# Altium PCB STM32L476VE.PcbDoc
Units mm, origin at the board's own origin, x right, y up, seen from the top; angles counter-clockwise.
Board outline 51.23 x 42.82 mm, 2 copper layers (Top Layer, Bottom Layer); 56 components, 100 nets, 320 pads, 79 vias.
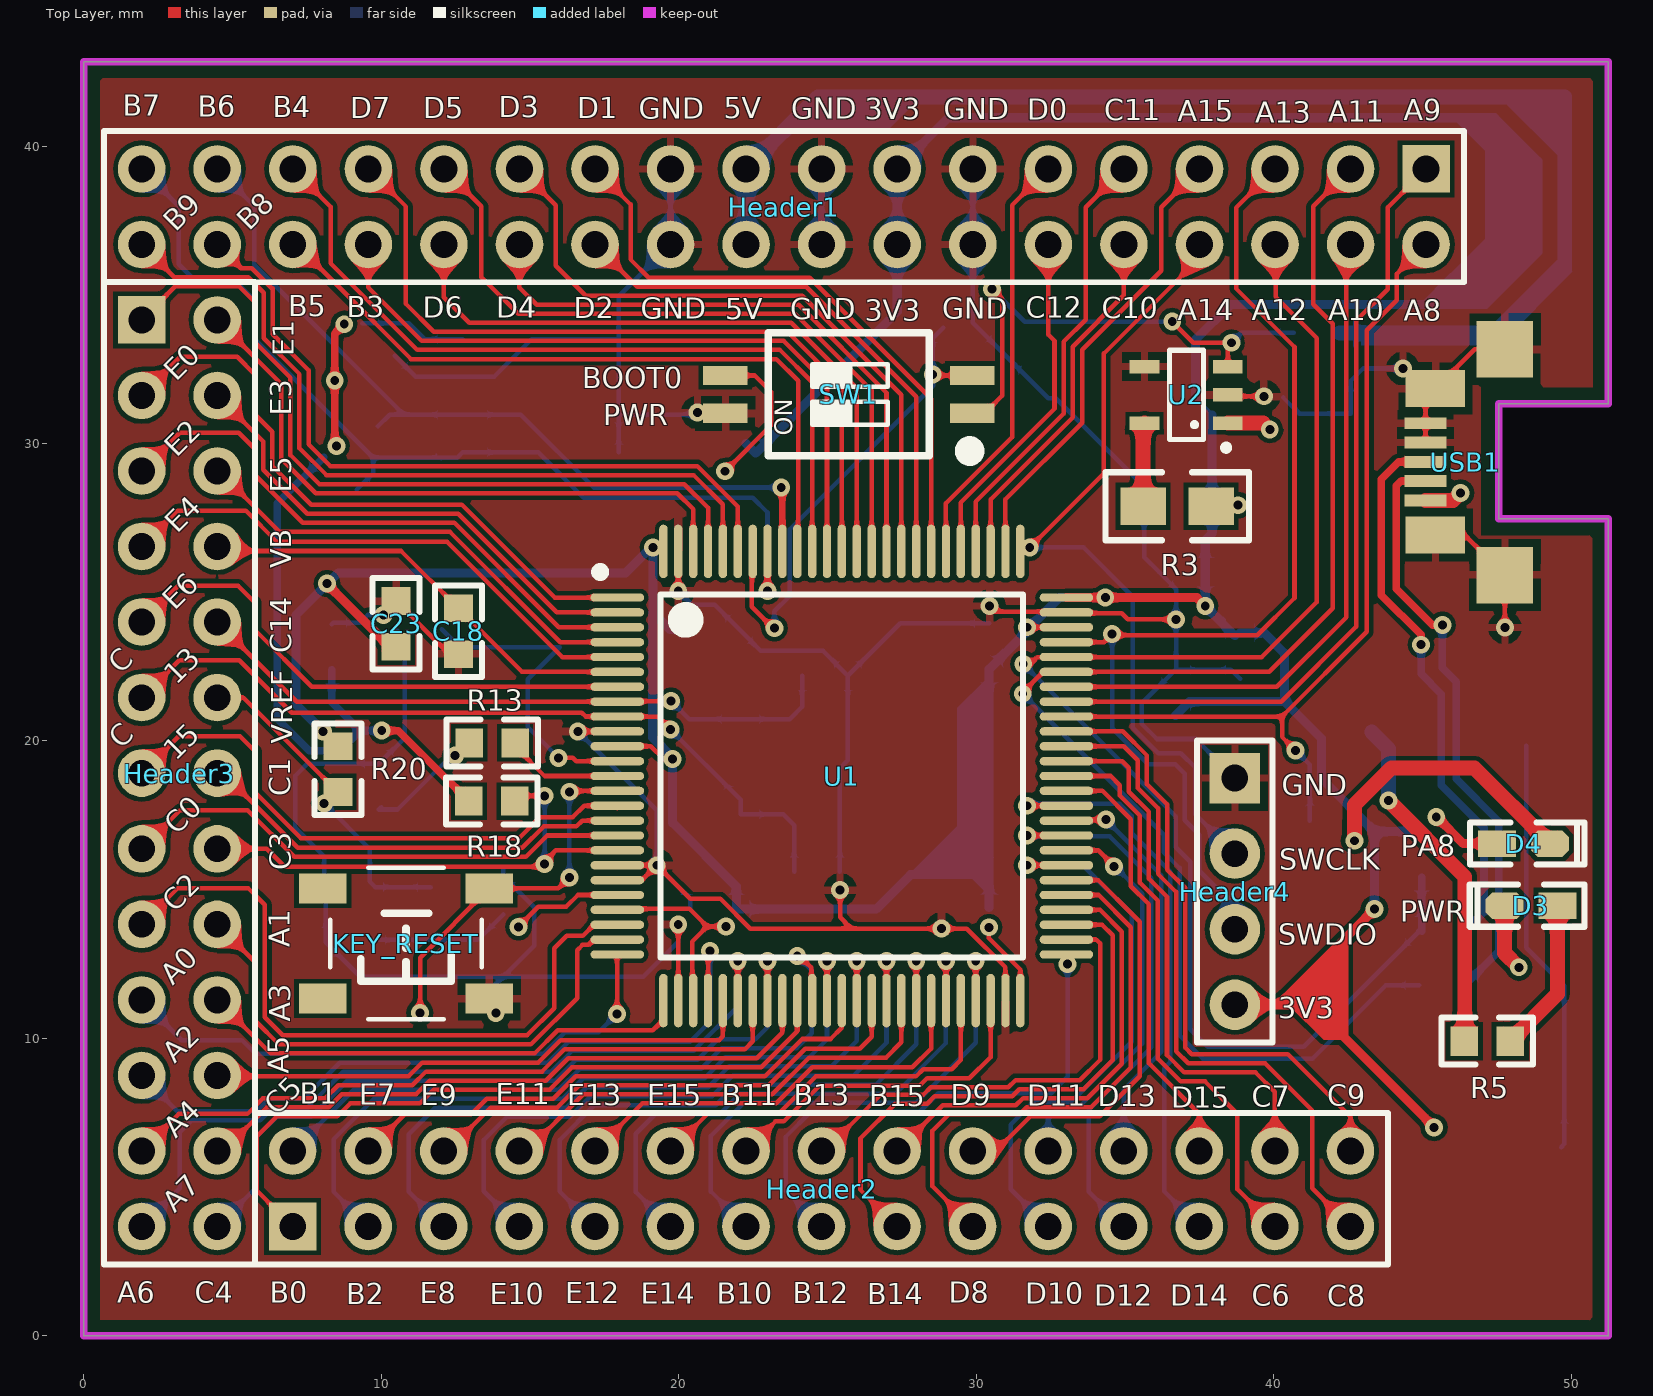
[diagram p0: Top Layer view]
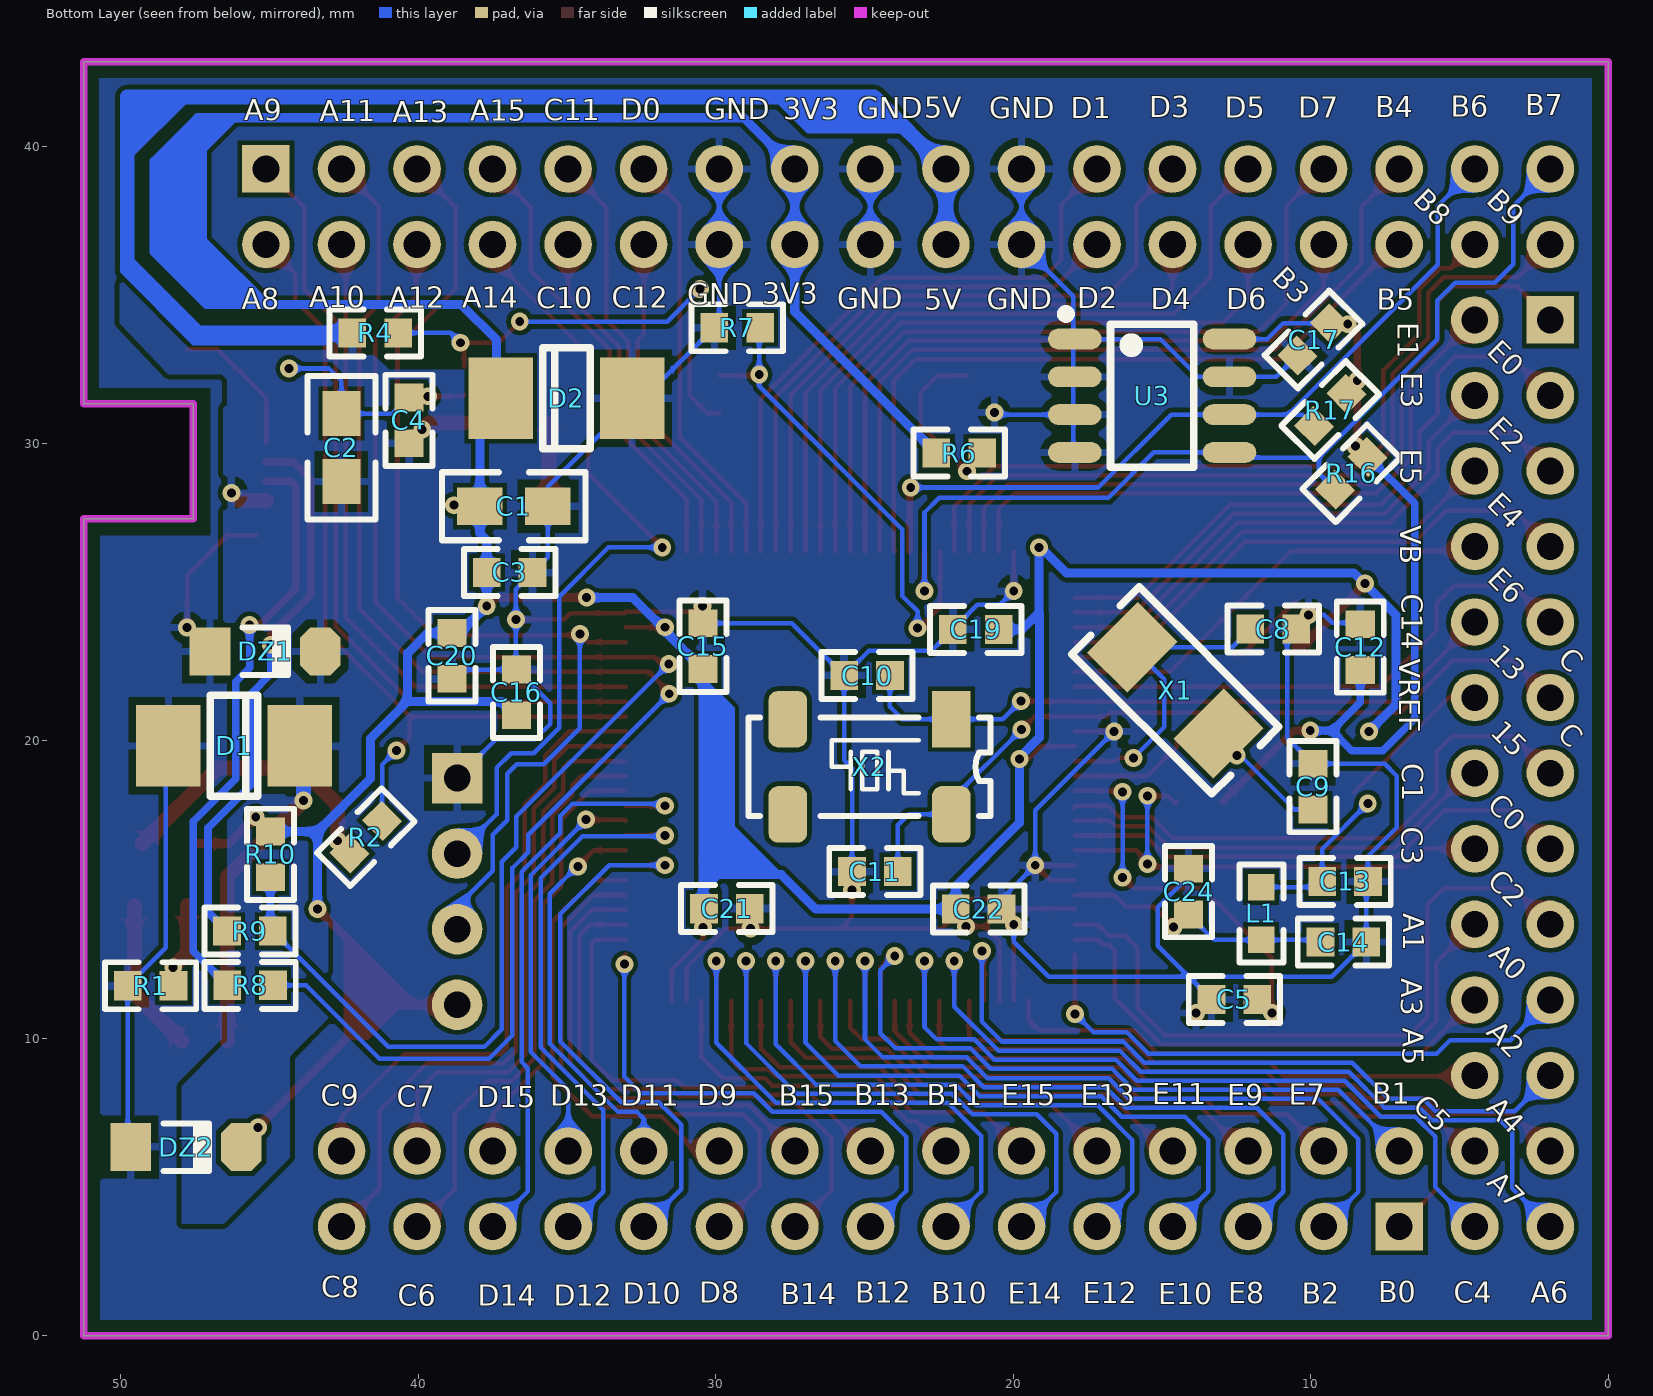
[diagram p1: Bottom Layer view, seen from below]

## Layer stack, top to bottom
Top Solder: solder mask 0.0102, Solder Resist, Dk 3.5
Top Layer: signal copper 0.0356
Dielectric 1: dielectric 0.32, FR-4, Dk 4.8
Bottom Layer: signal copper 0.0356
Bottom Solder: solder mask 0.0102, Solder Resist, Dk 3.5

## Board outline
0,0 0,42.825 51.235,42.825 51.235,31.33 47.555,31.33 47.555,27.47 51.235,27.47 51.235,0

## Design rules (kind name [scope] priority, off if disabled: settings)
Clearance [All] p1: gap=0.152
ComponentClearance [All] p1: gap=0.152 collisioncheckmode=3 verticalgap=20 showdistances=FALSE
DiffPairsRouting [All] p1: maxlimit=0.254 minlimit=0.254 mostfreqgap=0.254 toplayer_minwidth=0.152 toplayer_maxwidth=0.254 toplayer_prefwidth=0.152 bottomlayer_prefgap=0.245 bottomlayer_minwidth=0.152 bottomlayer_maxwidth=0.254 bottomlayer_prefwidth=0.152 maxuncoupledlength=12.7
DiffPairsRouting DiffPairsRouting_2 [All] p2: maxlimit=0.254 minlimit=0.254 mostfreqgap=0.254 toplayer_minwidth=0.381 toplayer_maxwidth=0.381 toplayer_prefwidth=0.381 bottomlayer_minwidth=0.381 bottomlayer_maxwidth=0.381 bottomlayer_prefwidth=0.381 maxuncoupledlength=12.7
DiffPairsRouting DiffPairsRouting_1 [All] p3: maxlimit=0.254 minlimit=0.254 mostfreqgap=0.254 toplayer_minwidth=0.381 toplayer_maxwidth=0.381 toplayer_prefwidth=0.381 bottomlayer_minwidth=0.381 bottomlayer_maxwidth=0.381 bottomlayer_prefwidth=0.381 maxuncoupledlength=12.7
HoleSize [All] p1: absolutevalues=TRUE maxlimit=6.3 minlimit=0.3 maxpercent=80.000 minpercent=20.000
HoleToHoleClearance [All] p1: gap=0.152 allowstackedmicrovias=TRUE
MinimumSolderMaskSliver [All] p1: minsoldermaskwidth=0.026
PolygonConnect [All] p1: connectstyle=Relief reliefconductorwidth=0.254 reliefentries=4 polygonreliefangle="90 Angle" airgapwidth=0.254
RoomDefinition STM32L476VE [InComponentClass('STM32L476VE')] p1: confinementstyle=ConfineIn formatcopy=TRUE lockcomponents=FALSE outline 0.545,2.28 50.71,2.28 50.71,42.28 0.545,42.28
RoutingVias [All] p1: holewidth=0.3 width=0.6 viastyle="Through Hole" minholewidth=0.3 minwidth=0.6 maxholewidth=3 maxwidth=3.1
SilkToSilkClearance [All] p1: silktosilkclearance=0
SilkToSolderMaskClearance [IsPad] p1: minsilkscreentomaskgap=0.152 clearancetoexposedcopper=TRUE
SolderMaskExpansion [All] p1: expansion=0.102
Width [All] p1: maxlimit=0.5 minlimit=0.152 preferedwidth=0.152 minimp=50.000000 maximp=50.000000 favimp=50.000000
23 further rules are at their usual default settings.

## Classes and differential pairs
differential pair SWCLK: +SWCLK_P -SWCLK
differential pair R_USB: +R_USB_P -R_USB_N
differential pair IC_R: +IC_R_P -IC_R_N
differential pair I2C1: +I2C1_P -I2C1_N

## Components (designator, comment, footprint, x,y, rotation, side; value= is the part's Value field where it differs from the comment)
C1 "476,0805" 0805C 37.926,27.89 r180 bottom
C2 "476,0805" 0805C 42.58,28.719 r90 bottom
C3 "105,0603" 0603_R 36.925,25.665 r180 bottom
C4 "105,0603" 0603_R 40.31,30.775 r90 bottom
C5 "104,0603" 0603_R 12.56,11.31 r0 bottom
C8 "20p,0603" 0603_R 11.255,23.76 r180 bottom
C9 "20p,0603" 0603_R 9.915,18.465 r90 bottom
C10 "10p,0603" 0603_R 24.91,22.195 r0 bottom
C11 "10p,0603" 0603_R 24.645,15.61 r0 bottom
C12 "104,0603" 0603_R 8.33,23.155 r90 bottom
C13 "104,0603" 0603_R 8.84,15.275 r180 bottom
C14 "104,0603" 0603_R 8.895,13.235 r180 bottom
C15 "105,0603" 0603_R 30.429,23.186 r90 bottom
C16 "104,0603" 0603_R 36.7,21.63 r90 bottom
C17 "104,0603" 0603_R 9.9,33.495 r315 bottom
C18 "104,0603" 0603_R 12.59,23.685 r270 top
C19 "104,0603" 0603_R 21.254,23.751 r0 bottom
C20 "104,0603" 0603_R 38.865,22.86 r90 bottom
C21 "104,0603" 0603_R 29.624,14.361 r0 bottom
C22 "104,0603" 0603_R 21.159,14.346 r0 bottom
C23 "104,0603" 0603_R 10.495,23.935 r90 top
C24 "103,0603" 0603_R 14.1,14.935 r270 bottom
D1 "TVS" SMB(DO-214AA)_S3 46.19,19.835 r0 bottom
D2 "TVS" SMB(DO-214AA)_S3 35.015,31.52 r180 bottom
D3 "LED" LED0603 36.478,6.377 r180 top
D4 "LED" LED0603 60.56,24.638 r0 top
DZ1 "ZD_SMT" "MINI_MELF (LL34)" 45.145,23.01 r180 bottom
DZ2 "ZD_SMT" "MINI_MELF (LL34)" 47.805,6.345 r180 bottom
Header1 "Jack" HDR2.54-LI-2x18P 23.53,37.96 r180 top
Header2 "Jack" HDR2.54-LI-2x15P 24.795,4.945 r0 top
Header3 "Jack" HDR2.54-LI-2x13P 3.21,18.915 r270 top
Header4 "Jack" HDR2.54-LI-4P 38.69,14.94 r270 top
KEY_RESET "KEY" "TSW SMD-4*4*1.5" 10.825,13.19 r180 top
L1 "10u,0603" "L 0603" 11.66,14.199 r270 bottom
R1 "681,0603" 0603_R 48.995,11.77 r0 bottom
R2 "681,0603" 0603_R 41.759,16.766 r135 bottom
R3 "Jumper1" 0805C 35.605,27.89 r0 top
R4 "103,0603" 0603_R 41.445,33.715 r0 bottom
R5 "Jumper2" 0603_R 47.175,9.905 r180 top
R6 "4.7k,0603" 0603_R 21.81,29.675 r0 bottom
R7 "10k,0603" 0603_R 29.275,33.89 r180 bottom
R8 "22R,0603" 0603_R 45.65,11.785 r0 bottom
R9 "22R,0603" 0603_R 45.655,13.605 r0 bottom
R10 "1.5k,0603" 0603_R 44.97,16.185 r270 bottom
R13 "Jumper3" 0603_R 13.725,19.935 r0 top
R16 "4.7k,0603" 0603_R 8.63,28.995 r135 bottom
R17 "4.7k,0603" 0603_R 9.34,31.125 r135 bottom
R18 "Jumper4" 0603_R 13.71,17.975 r0 top
R20 "Jumper5" 0603_R 8.535,19.051 r90 top
SW1 "CSW" "CSW1.27 SMD-2P" 25.71,31.65 r90 top
U1 "L476VxTx" LQFP-100_14x14x05P 25.479,18.821 r270 top
U2 "TPS78233" SOT23-5L 37.055,31.635 r90 top
U3 "24Cxx" SOIC-8_150mil 15.325,31.605 r270 bottom
USB1 "USB-5P" USB-MICRO_E 47.455,29.383 r90 top
X1 "Xtal_8M" SMD-5032_2P 14.545,21.7 r225 bottom
X2 "Xtal_32.768k" "OSC MC-306" 24.824,19.131 r0 bottom

## Footprints (in the part's own frame and the unit in brackets; to place one, negate y for a bottom-side part, rotate by r counter-clockwise, add the part's x,y. Pads: shape width x height; smd on the part's side, far side on the other; paste and mask are expansions set on the pad)
0603_R [mm]
  rect 0.93x0.98 smd: 1(-0.77,0) 2(0.77,0)
  silkscreen extent -1.54,-0.79 1.53,0.79, body extent -0.85,-0.4 0.85,0.4, height 0.56
0805C [mil] "2.0mmx1.2mm（蒜米工坊）"
  rect 60x50 smd: 1(0,0) 2(90,0)
  silkscreen extent -50,-45 140,45, body extent 5,-25 83,25, height 22
"CSW1.27 SMD-2P" [mm] "长：4.14mm，宽：5.4mm，高：2.3mm"
  rect 0.65x1.5 smd: 1(-0.635,-4.15) 2(0.635,-4.15) 3(0.635,4.15) 4(-0.635,4.15)
  silkscreen extent -2.15,-4.31 2.07,2.7, body extent -2.07,-4.35 2.07,4.35, height 2.35
HDR2.54-LI-2x13P [mm] "双排排针，13x2脚"
  rect 1.6x1.6 hole 0.9: 1(-15.24,-1.27)
  round 1.6 hole 0.9: 2(-15.24,1.27) 3(-12.7,-1.27) 4(-12.7,1.27) 5(-10.16,-1.27) 6(-10.16,1.27) 7(-7.62,-1.27) 8(-7.62,1.27) 9(-5.08,-1.27) 10(-5.08,1.27) 11(-2.54,-1.27) 12(-2.54,1.27) 13(0,-1.27) 14(0,1.27) 15(2.54,-1.27) 16(2.54,1.27) 17(5.08,-1.27) 18(5.08,1.27) 19(7.62,-1.27) 20(7.62,1.27) 21(10.16,-1.27) 22(10.16,1.27) 23(12.7,-1.27) 24(12.7,1.27) 25(15.24,-1.27) 26(15.24,1.27)
  silkscreen extent -16.51,-2.54 16.51,2.54, body extent -16.51,-2.54 16.51,2.54, height 8.5
HDR2.54-LI-2x15P [mm] "双排排针，15x2脚"
  rect 1.6x1.6 hole 0.9: 1(-17.78,-1.27)
  round 1.6 hole 0.9: 2(-17.78,1.27) 3(-15.24,-1.27) 4(-15.24,1.27) 5(-12.7,-1.27) 6(-12.7,1.27) 7(-10.16,-1.27) 8(-10.16,1.27) 9(-7.62,-1.27) 10(-7.62,1.27) 11(-5.08,-1.27) 12(-5.08,1.27) 13(-2.54,-1.27) 14(-2.54,1.27) 15(0,-1.27) 16(0,1.27) 17(2.54,-1.27) 18(2.54,1.27) 19(5.08,-1.27) 20(5.08,1.27) 21(7.62,-1.27) 22(7.62,1.27) 23(10.16,-1.27) 24(10.16,1.27) 25(12.7,-1.27) 26(12.7,1.27) 27(15.24,-1.27) 28(15.24,1.27) 29(17.78,-1.27) 30(17.78,1.27)
  silkscreen extent -19.05,-2.54 19.05,2.54, body extent -19.05,-2.54 19.05,2.54, height 8.5
HDR2.54-LI-2x18P [mm] "双排排针，18x2脚"
  rect 1.6x1.6 hole 0.9: 1(-21.59,-1.27)
  round 1.6 hole 0.9: 2(-21.59,1.27) 3(-19.05,-1.27) 4(-19.05,1.27) 5(-16.51,-1.27) 6(-16.51,1.27) 7(-13.97,-1.27) 8(-13.97,1.27) 9(-11.43,-1.27) 10(-11.43,1.27) 11(-8.89,-1.27) 12(-8.89,1.27) 13(-6.35,-1.27) 14(-6.35,1.27) 15(-3.81,-1.27) 16(-3.81,1.27) 17(-1.27,-1.27) 18(-1.27,1.27) 19(1.27,-1.27) 20(1.27,1.27) 21(3.81,-1.27) 22(3.81,1.27) 23(6.35,-1.27) 24(6.35,1.27) 25(8.89,-1.27) 26(8.89,1.27) 27(11.43,-1.27) 28(11.43,1.27) 29(13.97,-1.27) 30(13.97,1.27) 31(16.51,-1.27) 32(16.51,1.27) 33(19.05,-1.27) 34(19.05,1.27) 35(21.59,-1.27) 36(21.59,1.27)
  silkscreen extent -22.86,-2.54 22.86,2.54, body extent -22.86,-2.54 22.86,2.54, height 8.5
HDR2.54-LI-4P [mm] "排针，4脚"
  rect 1.7x1.7 hole 0.9: 1(-3.81,0)
  round 1.7 hole 0.9: 2(-1.27,0) 3(1.27,0) 4(3.81,0)
  silkscreen extent -5.08,-1.27 5.08,1.27, body extent -5.08,-1.27 5.08,1.27, height 8.5
"L 0603" [mil] "小功率贴片电感"
  rect 35x35 smd: 1(-35,0) 2(35,0)
  silkscreen extent -65,-29 65,30, body extent -31,-16 31,16, height 31
LED0603 [mil] "LED 0603"
  rect 50x35 smd: 1(-513.97,-318.44)
  oct 50x35 smd: 2(-443.97,-318.44)
  silkscreen extent -550,-346 -398,-290, body extent -510,-334 -447,-303, height 24
LQFP-100_14x14x05P [mm]
  oval 0.28x1.8 smd mask+0.051: 1(-6,-7.55) 2(-5.5,-7.55) 3(-5,-7.55) 4(-4.5,-7.55) 5(-4,-7.55) 6(-3.5,-7.55) 7(-3,-7.55) 8(-2.5,-7.55) 9(-2,-7.55) 10(-1.5,-7.55) 11(-1,-7.55) 12(-0.5,-7.55) 13(0,-7.55) 14(0.5,-7.55) 15(1,-7.55) 16(1.5,-7.55) 17(2,-7.55) 18(2.5,-7.55) 19(3,-7.55) 20(3.5,-7.55) 21(4,-7.55) 22(4.5,-7.55) 23(5,-7.55) 24(5.5,-7.55) 25(6,-7.55) 51(6,7.55) 52(5.5,7.55) 53(5,7.55) 54(4.5,7.55) 55(4,7.55) 56(3.5,7.55) 57(3,7.55) 58(2.5,7.55) 59(2,7.55) 60(1.5,7.55) 61(1,7.55) 62(0.5,7.55) 63(0,7.55) 64(-0.5,7.55) 65(-1,7.55) 66(-1.5,7.55) 67(-2,7.55) 68(-2.5,7.55) 69(-3,7.55) 70(-3.5,7.55) 71(-4,7.55) 72(-4.5,7.55) 73(-5,7.55) 74(-5.5,7.55) 75(-6,7.55)
  oval 1.8x0.28 smd mask+0.051: 26(7.55,-6) 27(7.55,-5.5) 28(7.55,-5) 29(7.55,-4.5) 30(7.55,-4) 31(7.55,-3.5) 32(7.55,-3) 33(7.55,-2.5) 34(7.55,-2) 35(7.55,-1.5) 36(7.55,-1) 37(7.55,-0.5) 38(7.55,0) 39(7.55,0.5) 40(7.55,1) 41(7.55,1.5) 42(7.55,2) 43(7.55,2.5) 44(7.55,3) 45(7.55,3.5) 46(7.55,4) 47(7.55,4.5) 48(7.55,5) 49(7.55,5.5) 50(7.55,6) 76(-7.55,6) 77(-7.55,5.5) 78(-7.55,5) 79(-7.55,4.5) 80(-7.55,4) 81(-7.55,3.5) 82(-7.55,3) 83(-7.55,2.5) 84(-7.55,2) 85(-7.55,1.5) 86(-7.55,1) 87(-7.55,0.5) 88(-7.55,0) 89(-7.55,-0.5) 90(-7.55,-1) 91(-7.55,-1.5) 92(-7.55,-2) 93(-7.55,-2.5) 94(-7.55,-3) 95(-7.55,-3.5) 96(-7.55,-4) 97(-7.55,-4.5) 98(-7.55,-5) 99(-7.55,-5.5) 100(-7.55,-6)
  silkscreen extent -7.01,-8.28 6.1,6.1, body extent -8,-8 8,8, height 1.6
"MINI_MELF (LL34)" [mm] "1.5*3.4mm(直径，脚距）"
  rect 1.37x1.62 smd: 1(-1.855,0)
  oct 1.37x1.62 smd: 2(1.855,0)
  silkscreen extent -0.76,-0.8 0.78,0.8, body extent -1.7,-0.75 1.7,0.75, height 1.5
"OSC MC-306" [mm] "8mm*3.2mm*2.54mm(长*宽*高)"
  rect 1.3x1.9 smd: 1(-2.75,-1.6)
  rrect50% 1.3x1.9 smd: 2(2.75,-1.6) 3(2.75,1.6) 4(-2.75,1.6)
  silkscreen extent -4.06,-1.65 4.06,1.65, body extent -4,-1.63 4,1.63, height 2.56
SMB(DO-214AA)_S3 [mm]
  rect 2.159x2.743 smd: 1(2.21,0) 2(-2.21,0)
  silkscreen extent -0.8,-1.7 0.8,1.7
SMD-5032_2P [mm]
  rect 1.9x2.4 smd: 1(-2.05,0) 2(2.05,0)
  silkscreen extent -3.32,-1.6 3.33,1.6
SOIC-8_150mil [mm]
  oval 0.7x1.8 smd: 1(-1.905,-2.6) 2(-0.635,-2.6) 3(0.635,-2.6) 4(1.905,-2.6) 5(1.905,2.6) 6(0.635,2.6) 7(-0.635,2.6) 8(-1.905,2.6)
  silkscreen extent -2.9,-3.05 2.4,1.4
SOT23-5L [mm] "3x1.6x1.1mm(长宽高)"
  rect 0.45x1 smd: 1(-0.95,-1.4) 2(0,-1.4) 3(0.95,-1.4) 4(0.95,1.4) 5(-0.95,1.4)
  silkscreen extent -1.85,-1.42 1.5,0.56, body extent -1.5,-1.4 1.5,1.4, height 1.15
"TSW SMD-4*4*1.5" [mm] "轻触开关，长宽高：4*4*1.5mm"
  rect 1.6x1 smd: 1(-2.8,1.85) 2(-2.8,-1.85) 3(2.8,-1.85) 4(2.8,1.85)
  silkscreen extent -2.55,-2.55 2.55,2.55, body extent -3.2,-2.6 3.2,2.6, height 1.5
USB-MICRO_E [mm] "micro型USB ，5.9*8.2*2.5mm"
  rect 0.4x1.4 smd: 1(-1.296,2.355) 2(-0.648,2.355) 3(0,2.355) 4(0.648,2.355) 5(1.295,2.355)
  rect 1.9x1.9 smd: 5(-3.81,-0.312) 5(3.784,-0.312)
  rect 1.25x2 smd: 5(-2.464,2.025) 5(2.464,2.025)
  body extent -3.98,-2.77 3.98,2.65, height 2.69

## Part data
C1 C2: library part CC_SMT_1, "SMT0805"
C3 C4 C5 C8 C9 C10 C11 C12 C13 C14 C15 C16 C17 C18 C19 C20 C21 C22 C23 C24: library part CC_SMT, "SMT0603"
D1 D2: library part TVS_SMT, "TVS Diode"
D3 D4: library part LED0603, "LED_0603"
DZ1 DZ2: "Zener"
Header1: library part M_18X2Pins_2.54-DIP, "Header Male"
Header2: library part M_15X2Pins_2.54-DIP, "Header Male"
Header3: library part M_13X2Pins_2.54-DIP, "Header Male"
Header4: library part M_4Pins_2.54-DIP, "Header Male"
KEY_RESET: library part TSW_4x4-SMT, "Tact Switch"
L1: library part L_SMT, "SMT_0603"
R1 R2 R4 R5 R6 R7 R8 R9 R10 R13 R16 R17 R18 R20: library part R_SMT, "SMT_0603"
R3: library part R_SMT_1, "SMT_0805"
SW1: library part Switch2_SMT, "DialSwitch"
U1: library part STM32L476VxTx
U2: library part TPS782, "Regulator_SMT"
U3: "外置EEPROM"
USB1: "USB_SMT"
X1: library part XTAL_8M_SMT
X2: library part XTAL_32.768K_SMT

## Via types
v1: diameter 0.6, hole 0.3, Top Layer to Bottom Layer, tented both sides, 79 vias

## Nets (pads, with @x,y where several pads share a name; then routed paths per layer and width w, separated by ;. In a path a pad name is that pad's centre, name@x,y a point inside that pad or via, vN(x,y) a via of type N, cw(c..) or ccw(c..) an arc to the next point about the centre after c; other vN are vias at no path point)
+3.3V: R3.1 U2.5 | length 2.8
  Top Layer w0.5: R3.1 35.605,30.635 U2.5
+5VIN: C2.1 C4.1 D1.2 DZ1.2 Header1.19 Header1.20 R4.2 R5.2 U2.1 USB1.1 | length 63
  Top Layer w0.5: U2.1 39.645,30.685 v1(39.865,30.465) ; v1(43.855,18) 46.42,15.435 46.42,9.92 R5.2 ; USB1.1 46.027,28.087 v1(46.28,28.34)
  Bottom Layer w0.5: Header1.20 Header1.19 24.675,41.645 49.78,41.645 49.78,36.09 ; R4.2 47.405,33.715 ; D1.2@43.29,20.3 43.855,19.735 v1(43.855,18) ; 47.405,33.715 49.78,36.09 ; 47.405,33.715 49.78,36.09
BOOT0: R7.2 SW1.2 U1.94 | length 16.8
  Top Layer w0.152: U1.94 22.451,26.343 22.451,24.509 23.17,23.79 v1(23.21,23.79) ; v1(28.535,32.32) 28.57,32.285 SW1.2
  Bottom Layer w0.152: v1@23.17,23.79 v1(23.21,23.79) 23.21,24.357 23.725,24.872 23.725,27.11 28.535,31.92 v1(28.535,32.32) 28.535,33.535 R7.2@28.89,33.89
GND: C1.2 C2.2 C3.2 C4.2 C5.2 C8.2 C9.2 C10.2 C11.2 C12.2 C13.2 C14.2 C15.2 C16.2 C17.2 C18.2 C19.2 C20.1 C21.1 C22.1 C23.2 C24.1 D1.1 D2.1 DZ1.1 DZ2.1 Header1.13 Header1.14 Header1.17 Header1.18 Header1.21 Header1.22 Header4.1 KEY_RESET.1 R1.2 R7.1 SW1.4 U1.10 U1.19 U1.20 U1.27 U1.49 U1.74 U1.99 U2.2 U2.4 U3.1 U3.2 U3.3 U3.4 U3.7 USB1.4 USB1.5 | length 177.2
  Top Layer w0.152: C23.2 12.285,22.915 C18.2 ; v1(16.602,20.321) U1.10 ; U1.20 18.756,15.321 v1(19.256,15.821) ; U1.19 v1(19.256,15.821) ; U1.27 v1(19.979,13.831) ; v1(19.979,25.044) U1.99 ; v1(25.42,14.99) 25.42,14.07 25.8,13.69 ; v1(30.44,24.54) 30.631,24.349 33.029,24.349 U1.74 33.057,24.293 34.887,24.293 35.095,24.085 v1(36.713,24.085) ; U1.49 30.979,12.386 29.675,13.69 v1(28.825,13.69) 25.8,13.69 ; U2.2 38.505,31.585 v1(39.67,31.585) ; USB1.4 45.1,30.678 45.1,31.516 45.43,31.847 46.751,33.167 USB1.5@47.767,33.167 ; USB1.5@45.43,26.919 46.421,26.919 47.767,25.573 v1@47.767,23.581 ; v1(19.256,15.821) 20.382,14.695 21.397,14.695 22.402,13.69 25.8,13.69
  Bottom Layer w0.152: C12.2 8.38,23.975 8.41,23.97 9.275,23.97 9.54,24.235 v1(10.065,24.235) ; C17.2 11.155,32.24 U3.7 13.785,32.24 15.055,33.51 U3.1@17.975,33.51 ; C8.2 10.79,23.455 10.79,20.11 C9.2 7.51,19.235 7.11,18.835 7.11,17.08 8.07,16.12 C13.2 8.125,15.22 C14.2 9.285,12.075 14.095,12.075 ; C5.2 14.095,12.075 ; C24.1 14.1,15.442 15.133,14.409 15.133,13.113 14.095,12.075 ; v1(16.602,20.321) 19.256,17.667 v1(19.256,15.821) 20.389,14.688 C22.1 ; U3.4@17.975,29.7 U3.3@17.975,30.97 ; Header1.21 Header1.22 17.975,34.945 U3.1@17.975,33.51 ; v1(19.979,13.831) 19.979,13.249 18.805,12.075 14.095,12.075 ; v1(19.979,25.044) 20.448,24.575 21.2,24.575 C19.2 22.745,23.03 24.845,23.03 C10.2 ; v1(20.63,31.04) 20.56,30.97 U3.3@17.975,30.97 ; Header1.18 Header1.17 ; C11.2 25.415,19.08 25.68,19.345 C10.2 ; Header1.13 Header1.14 29.88,34.055 R7.1 32.415,31.52 32.665,31.52 35.64,28.545 C1.2 35.64,26.18 C3.2 36.713,25.107 v1(36.713,24.085) 36.713,22.413 C16.2 ; C15.2 27.441,23.956 C10.2 ; Header4.1 37.375,20.065 36.071,20.065 35.565,20.571 35.565,21.265 C16.2 ; C20.1 38.555,22.4 C16.2 ; C4.2 40.85,31.005 C2.2 42.58,32.1 43,32.52 v1(44.34,32.52) ; D1.1@48.485,19.835 48.485,13.05 R1.2 49.765,6.45 DZ2.1 ; U3.3@17.975,30.97 U3.1@17.975,33.51
  other v1: 13.845,10.85 47.77,23.81
I2C1_N: Header1.35 R16.1 U1.93 U3.5 | length 33.1
  Top Layer w0.212: v1(22.979,25.044) U1.93
  Bottom Layer w0.152: Header1.35 3.19,37.98 3.19,36.025 3.81,35.405 5.14,35.405 5.74,34.805 5.74,33.505 9.174,30.071 9.72,29.525 ; R16.1 9.72,28.996 9.72,29.525 ; v1(22.979,25.044) 22.979,27.681 22.485,28.175 16.795,28.175 15.27,29.7 U3.5 12.55,29.525 9.72,29.525
I2C1_P: Header1.33 R17.1 U1.92 U3.6 | length 27.8
  Top Layer w0.212: v1(23.441,28.52) 23.479,28.482 U1.92
  Bottom Layer w0.152: Header1.33 5.725,37.985 5.725,36.005 10.76,30.97 ; R17.1 10.274,30.97 10.76,30.97 ; v1(23.441,28.52) 17.135,28.52 14.685,30.97 U3.6 10.76,30.97
IC_R_N: Header1.3 R8.1 U1.70 | length 50.3
  Top Layer w0.152: v1(31.56,21.585) 31.56,21.632 32.248,22.321 U1.70 39.849,22.321 41.985,24.457 41.985,34.03 41.33,34.685 41.33,37.98 Header1.3
  Bottom Layer w0.152: v1(31.56,21.585) 36.302,16.843 36.302,16.258 36.83,15.73 36.83,10.1 37.49,9.44 37.606,9.324 41.309,9.324 43.77,11.785 R8.1
IC_R_P: Header1.6 R9.1 R10.2 U1.71 | length 49.4
  Top Layer w0.152: v1(31.575,22.585) 31.817,22.585 32.053,22.821 U1.71 39.591,22.821 41.44,24.67 41.44,33.545 40.06,34.925 40.06,36.67 Header1.6
  Bottom Layer w0.152: v1(31.575,22.585) 36.699,17.461 36.699,16.422 37.186,15.935 37.186,10.305 37.771,9.721 41.001,9.721 R9.1
  Bottom Layer w0.212: R9.1 R9.1@44.97,13.605
  Bottom Layer w0.254: R9.1@44.97,13.605 R10.2
NetC9_1: C9.1 R13.1 X1.2 | length 4.4
  Bottom Layer w0.152: C9.1@9.995,17.775 C9.1 10.54,17.695 X1.2
  other v1: 12.48,19.505
NetC14_1: C14.1 C24.2 L1.2 U1.21 | length 8.6
  Top Layer w0.152: v1(14.605,13.75) 15.275,14.42 16.205,14.42 16.606,14.821 U1.21
  Bottom Layer w0.152: C14.1 9.74,13.31 L1.2 13.245,13.31 C24.2
NetD3_1: D3.1 R5.1 | length 5.2
  Top Layer w0.5: R5.1 49.533,11.493 D3.1
NetD3_2: D3.2 R1.1 | length 2.3
  Top Layer w0.5: D3.2 47.755,12.87 v1(48.235,12.39)
NetD4_2: D4.2 R2.1 | length 9.3
  Top Layer w0.5: v1(42.714,16.645) 42.714,17.852 43.952,19.09 46.743,19.09 D4.2
NetR4_1: R4.1 SW1.1 U2.3 | length 17
  Top Layer w0.152: SW1.1 30.28,31.015 30.875,31.61 30.875,34.85 v1(30.53,35.195) ; v1@36.685,34.095 v1(36.585,34.095) 37.295,33.385 v1(38.575,33.385) 38.455,33.265 U2.3
  Bottom Layer w0.152: v1(30.53,35.195) 31.63,34.095 v1(36.585,34.095) ; v1(38.575,33.385) 38.905,33.715 R4.1
NetR6_1: R6.1 SW1.3 | length 5.1
  Top Layer w0.152: v1(21.555,29.065) 23.11,30.62 23.11,31.73 22.555,32.285 SW1.3
OSC32_IN: C10.1 Header3.10 U1.8 X2.1 | length 22.2
  Top Layer w0.152: Header3.10 7.154,21.321 U1.8 17.948,21.34 v1(19.74,21.34)
  Bottom Layer w0.152: v1(19.74,21.34) 20.349,20.731 X2.1 23.721,20.731 24.14,21.15 C10.1
OSC32_OUT: C11.1 Header3.11 U1.9 X2.4 | length 26.6
  Top Layer w0.152: Header3.11 3.2,22.715 5.225,22.715 6.987,20.953 16.732,20.953 16.864,20.821 U1.9 19.279,20.821 v1(19.72,20.38)